# KiCad board Battman.kicad_pcb (continued)
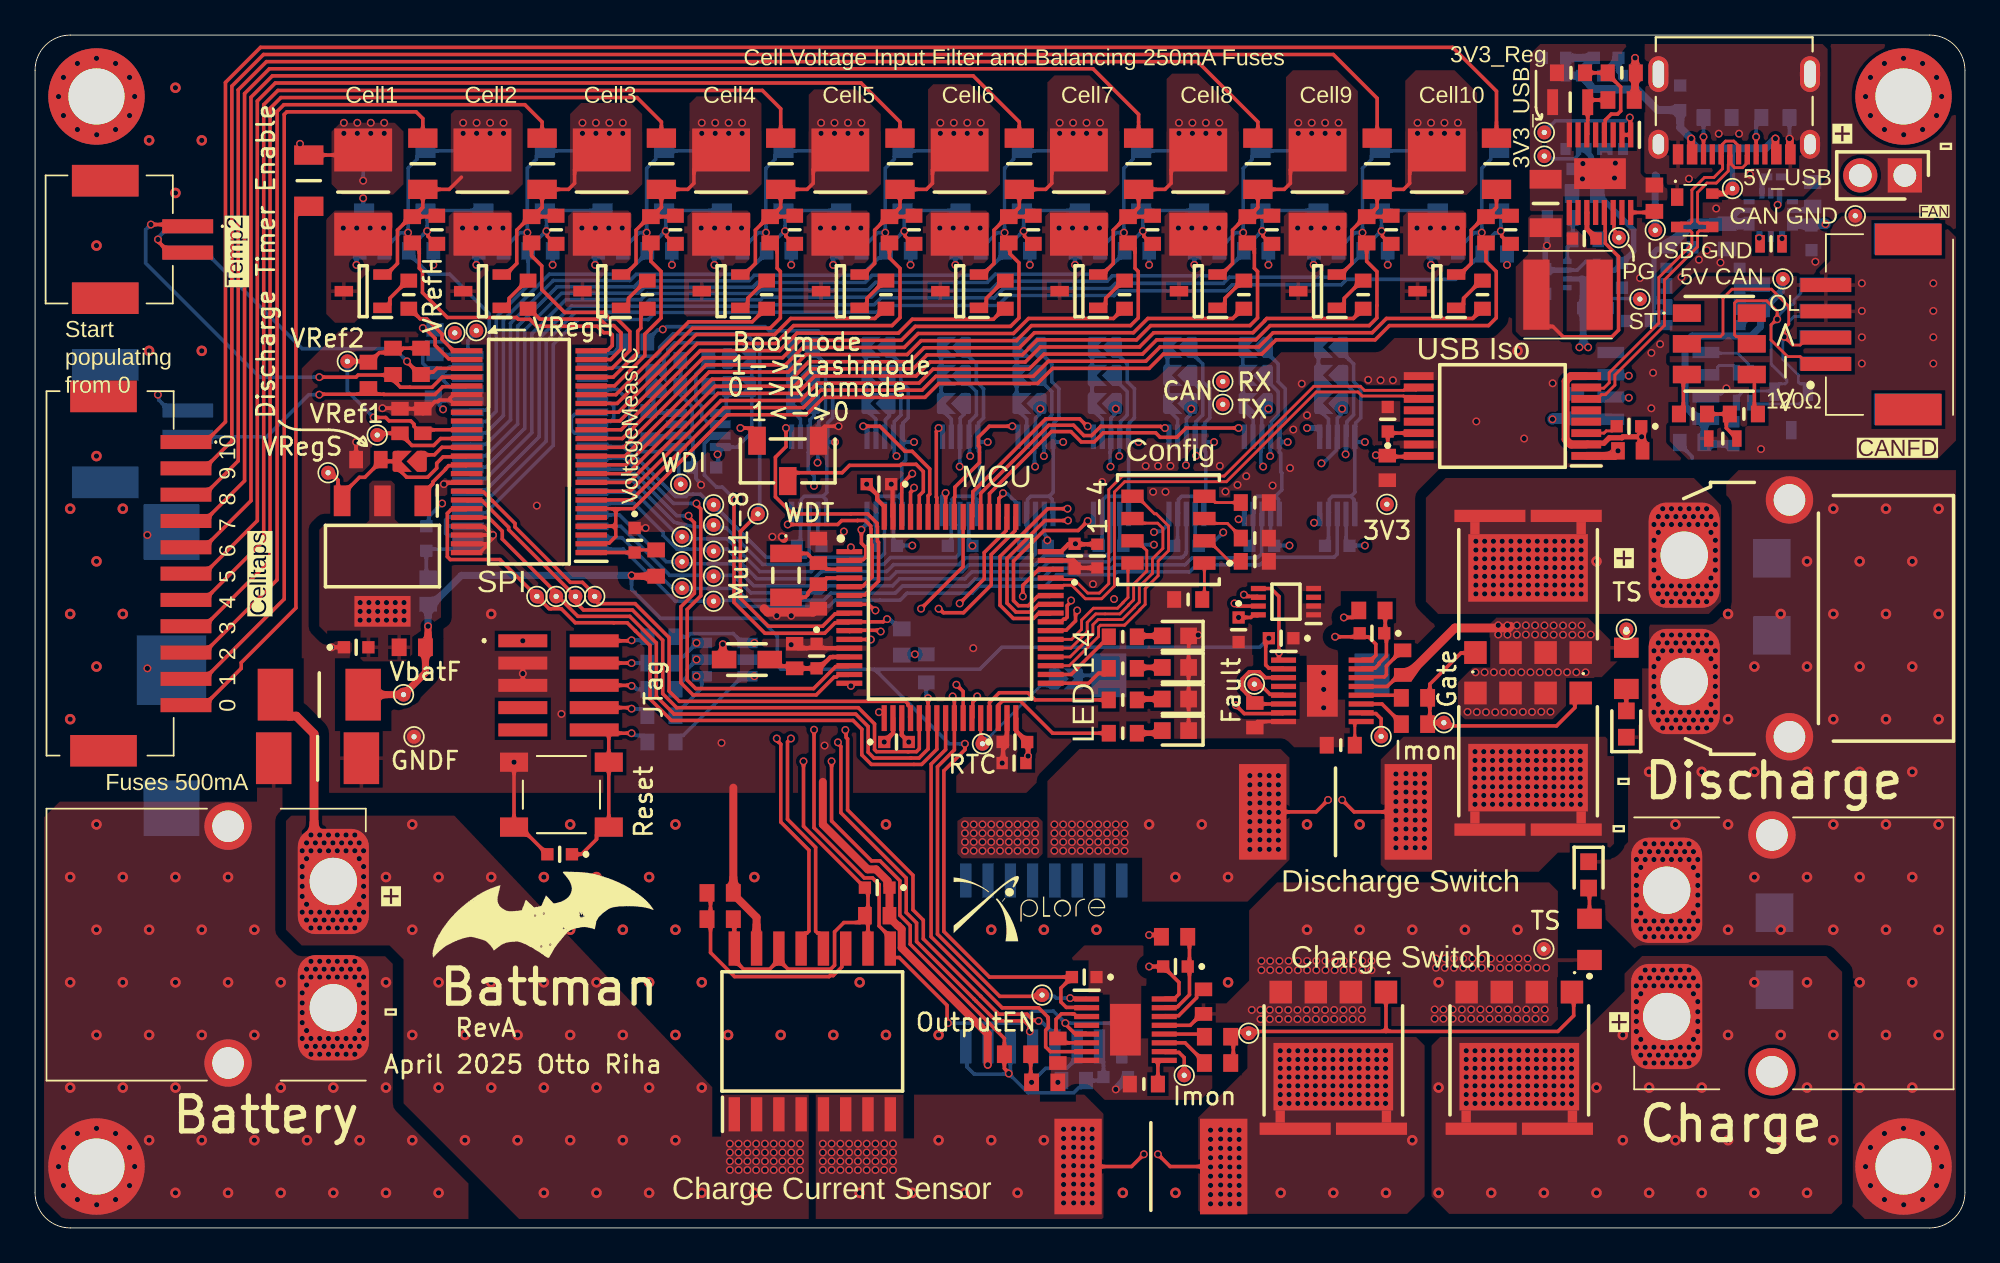
[diagram p0: board, top side]
## Routing (per net, layer and track width the routed paths; a pad name or vN(x,y) marks a point on that pad's centre or on a via; arc(x,y) is an arc through that point) (continued)
Bat_GND_Fused: length 102.1
  Top Layer w0.203: v1(66.3,33.8) 65.75,33.25 LED701.1 LED702.1 LED703.1 ; J5.2 7.65,55.6 7.05,56.2 7.05,56.3 v1(7,56.35) ; 44.65,45.35 45,45.7 v1(45.8,45.7) ; 23.65,47.19 23.05,47.19 22.96,47.11 22.8,47.11 22.1,46.41 ; 23.65,47.19 23.85,47 IC600.31 ; 23.65,47.19 23.65,47.3 23.85,47.5 IC600.30 ; IC600.45 24.65,39.95 25.6,39.95 26.06,39.5 v1(26.1,39.5) ; IC600.46 v1(26.1,39.5) ; v1(26.1,39.5) 26.09,39.49 26.09,39.33 25.76,39 ; v1(27.3,26.55) 27.3,23.2 C708.2 ; 19.51,25.8 18.6,26.71 18.6,27.29 ; 25.76,39 25.76,38.91 25.35,38.5 IC600.48 ; 25.76,39 IC600.47 ; v1(19.8,46.73) 20.77,46.73 C602.2 C601.2 ; 69.52,28.72 69.67,28.87 IC801B.8 ; J700.3 v1(27.8,31.6) J700.5 ; C603.2 v1(18.3,44.8) ; v1(16.9,33.1) C600.1 ; 34.1,39.9 v1(34.8,39.9)
  Top Layer w0.25: IC700.47 59.19,38.05 59.61,37.62 C706.1 ; v1(48.4,27.7) 48.91,28.21 48.91,29.05 IC700.18 ; 55.18,26.5 55.18,27.29 55.4,27.51 IC700.31 ; IC600.40 24.58,42.47 23.43,42.47 23.35,42.4 v1(23.3,42.4) ; v1(48.8,42.4) 48.88,42.32 48.88,40.56 IC700.63 ; IC700.12 43.5,33.05 43.45,33.1
  Top Layer w0.45: IC800A.15 41.13,17.7 39.8,19.02 R802A.1 39.8,25.1 ; v1(54.3,9.3) 54.3,11.06 49.4,15.96 49.4,17.03 49.2,17.22 49.17,17.22 48.7,17.69 C804A.1 C800A.1 48.6,19.5 48.6,19.78 47.94,20.44 47.46,20.44 44.9,23 44.9,25.43
  Top Layer w0.5: 41.55,35.31 41.76,35.1 44.35,35.1 44.55,35.3 C715.2 ; v1(42.58,39.4) 42.68,39.3
  Mid Layer 2 w0.45: v1(58.3,8.3) 57.18,9.42 55.09,9.42 54.97,9.3 v1(54.3,9.3)
  Bottom Layer w0.203: IC301.2 36.67,45.28 37.28,45.28 ; IC301.2 35.6,45.16 35.44,45 ; IC301.2 36.59,45.12 37.28,45.12 ; v1(37.96,42.36) 37.96,42.43 37.67,42.71 37.67,43.1 37.65,43.13 37.5,43.13 37.5,44.9 37.28,45.12 ; 37.28,45.28 37.45,45.46 37.45,46.81 36.77,47.5 36.77,47.98 R301.1 ; 37.28,45.28 37.28,45.12 ; 36.8,48.02 36.8,49.39 ; v1(7,47.5) 7.05,47.45 7.05,47.2 7.65,46.6 J6.2 ; v1(7,56.35) 7.05,56.4 7.05,56.5 7.65,57.1 J3.2
  Bottom Layer w0.45: v1(61.6,7.9) C800B.1
  vias: v1(6.4,31.9) v1(28.6,41.17) v1(30,29.3) v1(39.13,27.65) v1(42.02,39.4) v1(42.28,34.9) v1(43.1,34.9) v1(43.09,33.25) v1(45,27.5) v1(53.48,33.05) v1(55.13,26.5) v1(60.3,36.7) v1(60.82,42.52) v1(61.5,35.85) v1(63.3,43.44) v1(63.73,41.96) v1(64.01,43.44) v1(64.43,41.96) v1(64.71,43.44) v1(67.53,43.44) v1(67.85,41.97) v1(68.54,42.36) v1(69.04,42.85) v1(70.54,42.32) v1(71.53,43.32) v1(71.72,45.51) v1(72.2,48.12) v1(72.5,46.32) v1(73.45,31.65) v1(73.45,30.7) v1(73.45,29.65) v1(75.99,48.35) v1(76.69,48.32) v1(77.39,48.32) v1(82.15,45.97) v1(84.88,45) v1(86.5,48.15) v1(88.23,60.67) v1(88.2,59.8) v1(90.03,59.85) v1(90.08,60.7) v1(91.48,54.15) v1(92.13,49.88) v1(92.13,46.72) v1(92.23,48.75) v1(92.63,50.38) v1(93.84,54.2) v1(94.84,55.19) v1(95.29,55.73) v1(95.82,58.11) v1(96.07,55.03) v1(101.48,55.08) v2(2,41) v2(2,35) v2(2,29) v2(3.5,56) v2(3.5,44) v2(3.5,38) v2(3.5,32) v2(5,41) v2(5,35) v2(6.5,62) v2(6.5,50) v2(8,65) v2(8,59) v2(9.5,62) v2(9.5,50) v2(26,35) v2(84.5,50)
Boot: length 10.8
  Top Layer w0.203: IC700.60 50.4,41.75 50.63,41.98 50.63,43.12 50.22,43.53 49.38,43.53 49.32,43.47 46.42,43.47 46,43.05 42.9,43.05
CAN_GND: length 3.8
  Bottom Layer w0.203: IC701.7 95.43,47.56 96.1,47.56 v1(96.4,47.86) ; C710.1 93.75,44.67 94.45,43.97 94.45,43.88
  Bottom Layer w0.6: PS401.10_11 98.28,53.7 C418.1
  vias: v1(98.38,44.4) v1(104.13,53.85) v1(104.13,52.27) v1(104.13,50.77) v1(104.13,49.27) v1(108.2,53.85) v1(108.2,52.27) v1(108.2,50.77) v1(108.2,49.27)
CAN_N: length 23.6
  Top Layer w0.16: 94.57,50.82 96.07,50.82 96.21,50.96 96.21,53 96.73,53.51 98.97,53.51 99.96,52.53 99.96,51.53 99.7,51.27 v1(99.7,50.8) 100.17,50.33 100.61,50.33 100.71,50.42 100.71,50.43 101.03,50.75 J9.2
  Bottom Layer w0.16: J8.2 101.69,51.96 100.26,51.96 99.96,51.66 99.96,51.53 99.7,51.27 v1(99.7,50.8) 99.64,50.74 99.64,50.58 99.62,50.56 99.62,49.51 100.51,48.62 100.51,48.21 100.6,48.12 100.83,48.12 101.05,47.9 101.05,47.45 100.57,46.97 97.86,46.97 FL700.3
CAN_P: length 22.2
  Top Layer w0.16: v1(99.3,51.8) 99.3,52.25 98.7,52.85 97,52.85 96.87,52.72 96.87,50.91 96.96,50.82 97.43,50.82 ; 99.28,51.82 98.95,51.48 98.95,50.62 99.9,49.67 100.61,49.67 100.71,49.58 100.71,49.57 101.03,49.25 J9.1
  Bottom Layer w0.16: J8.1 100.97,53.78 100.65,53.46 100.65,53.28 100.26,52.9 100.26,52.72 100.17,52.62 99.99,52.62 99.3,51.93 v1(99.3,51.8) 98.96,51.46 98.96,49.23 99.85,48.35 99.85,48.21 99.75,48.12 99.37,48.12 99.15,47.9 D700.1 99.12,47.71 97.39,47.71 96.98,47.3 FL700.4
CAN_Tr_N: length 3.5
  Bottom Layer w0.16: 95.02,49.9 95.05,49.87 97.04,49.87 97.66,49.25 97.66,48.87 FL700.2
CAN_Tr_P: length 2.6
  Bottom Layer w0.16: FL700.1 96.98,49 96.81,49.17 96,49.17 95.9,49.07 95.9,48.88 95.65,48.63 95.02,48.63
CANFD_RX: length 48.6
  Top Layer w0.203: IC700.61 49.9,41.93 50.1,42.13 v1(50.1,42.2)
  Mid Layer 2 w0.203: 90.94,48.67 89.83,47.56 67.93,47.56 67.81,47.68 67.81,48.14 TP706.1 67.1,47.65 54.26,47.65 51.71,45.1 51.39,45.1 49.5,43.21 49.5,42.79 50.09,42.2 v1(50.1,42.2)
  Bottom Layer w0.203: v1(90.84,48.58) 89.87,48.58 IC701.3
CANFD_TX: length 46.5
  Top Layer w0.203: v1(50,43) 49.4,42.4 IC700.62
  Mid Layer 2 w0.203: TP705.1 67.86,46.95 68.11,47.2 90.65,47.2 90.77,47.32 v1(90.84,47.32) ; 67.6,47 67.57,47 67.28,47.29 54.41,47.29 51.86,44.74 51.8,44.74 50.07,43 v1(50,43)
  Bottom Layer w0.203: IC701.2 89.85,47.32 v1(90.84,47.32)
Cell0: length 93.9
  Top Layer w0.203: v1(22.1,51.3) 22.17,51.3 22.29,51.18 22.32,51.18 22.8,50.7 22.8,50.31 23.57,49.55 24.55,49.55 IC600.26 ; R203A.1 18.41,61.16 F100.2
  Bottom Layer w0.203: 48.7,46.55 48.67,46.52 48.67,46.27 48.47,46.07 ; 48.7,46.55 48.7,46.8 48.8,46.9 ; 48.7,46.55 48.7,46.3 48.47,46.07 ; 48.47,46.07 48.47,45.15 ; 44.5,46.9 44.4,46.8 44.4,46.3 44.17,46.07 44.17,45.15 44.08,45.05 44.08,44.23 44.07,44.22 44.07,43.2 44.4,42.87 v1(44.4,42.3) ; 65.9,46.8 65.9,46.7 v1(65.9,46.7) ; 52.46,54.91 52.46,55.66 C201F.1 ; C201I.1 72.88,55.68 v1(72.88,54.9) ; v1(61.6,46.7) 61.6,46.7 61.6,46.8 ; 74.5,46.8 74.5,46.7 v1(74.5,46.7) ; IC500A.7 74.73,39.08 C500A.1 74.94,38.9 v1(75.8,38.9) ; v1(43.1,54.9) C200D.1 ; v1(70.3,46.7) 70.3,46.7 70.3,46.9 ; 25.15,54.91 25.15,55.55 C201B.1 ; v1(67.73,39.65) 66.98,38.9 66.34,38.9 C500C.1 66.13,39.08 IC500C.7 ; v1(63.5,54.9) C200G.1 ; v1(77.1,54.9) C200I.1 ; C500E.1 57.7,38.91 v1(57.7,39.2) ; 74.45,46.7 74.45,46.39 74.23,46.16 IC500A.3 74.18,45.05 74.18,44.35 73.47,43.63 73.37,43.63 v1(73.32,43.59) ; v1(18.7,59.7) 18.7,61.35 Z201A.2 ; v1(70.3,54.9) C200H.1 ; v1(70,43.4) 70,43.47 69.87,43.6 69.87,44.22 69.88,44.23 69.88,45.05 IC500B.3 69.93,46.19 70.07,46.34 70.07,46.68 70.1,46.7 70.15,46.7 70.3,46.85 JS502B.1 ; 79.57,54.89 79.57,55.57 C201J.1 ; 74.45,46.85 JS502A.1 ; C201A.1 18.32,55.52 v1(18.32,54.9) ; v1(49.9,54.9) C200E.1 ; C201E.1 45.49,55.49 45.49,54.9 ; 23,47.15 IC300.14 ; 23,47.15 23.04,47.11 23.04,46.91 23.25,46.7 v1(23.25,46.66) ; 23,47.15 22.96,47.15 22.71,47.4 22.7,47.4 ; v1(56.7,54.9) C200F.1 ; C304.1 22.44,40.14 22.44,40.54 v1(23.2,41.3) ; v1(66.08,54.9) 66.08,55.68 C201H.1 ; v1(59.28,54.9) 59.28,55.67 C201G.1 ; C500H.1 44.63,39.08 IC500H.7 ; IC500F.7 53.23,39.08 v1(53.43,38.88) ; v1(52.7,43.4) 52.71,43.41 52.71,45.09 IC500F.3 52.73,46.16 52.95,46.39 52.95,46.85 JS502F.1 ; 53,46.8 53,46.7 53,46.7 ; 57.73,39.2 57.73,39.35 57.53,39.55 IC500E.7 ; v1(63.78,38.95) 62.09,38.95 C500D.1 61.83,39.08 IC500D.7 ; v1(57.3,46.7) 57.3,46.7 57.3,46.8 ; 44.86,50.91 44.63,51.14 41.84,51.14 41.61,51.38 36,51.38 35.84,51.22 v1(35.78,51.22) 35.73,51.18 35.47,51.18 34.9,50.6 34.9,50.4 ; 38.72,54.89 38.72,55.52 C201D.1 ; v1(36.3,54.9) C200C.1 ; v1(83.9,54.9) 83.9,55.7 ; v1(22.7,54.9) C200A.1 ; JS502D.1 61.55,46.85 61.55,46.39 61.33,46.16 IC500D.3 61.28,45.05 61.28,44.23 61.27,44.22 61.27,43.43 v1(61.3,43.4) ; IC500B.7 70.43,39.08 C500B.1 70.64,38.9 v1(71.5,38.9) ; v1(29.5,54.9) C200B.1 ; JS502C.1 65.85,46.85 65.85,46.36 65.63,46.14 IC500C.3 65.61,45.09 65.61,43.49 v1(65.6,43.47) ; Z200A.2 18.7,58.05 v1(18.7,58.7) ; v1(22.1,51.3) 22.8,51.3 22.9,51.2 ; JS502E.1 57.25,46.85 57.25,46.39 57.03,46.16 IC500E.3 56.98,45.05 56.98,44.23 56.97,44.22 56.97,43.43 v1(57,43.4) 56.95,43.45 56.95,43.7 ; C201C.1 31.92,55.52 31.92,54.92 ; IC500G.7 48.93,39.08 C500G.1 49.14,38.9 v1(50,38.9)
  vias: v1(15.1,61.8) v1(17.6,63) v1(17.6,62.4) v1(18.37,63) v1(18.37,62.4) v1(19.13,63) v1(19.13,62.4) v1(19.9,63) v1(19.9,62.4) v1(25.15,54.9) v1(31.92,54.9) v1(38.72,54.9) v1(45.49,54.9) v1(46.1,39.7) v1(52.46,54.9) v1(79.57,54.9)
Cell1: length 44.3
  Top Layer w0.203: F200A.1 22.1,63.24 21.72,63.63 14.35,63.63 14.2,63.48 14.2,35.85 9.65,31.3 J7.10
Cell2: length 50.2
  Top Layer w0.203: F200B.1 28.9,63.05 27.92,64.03 14.18,64.03 13.79,63.64 13.79,36.94 9.65,32.8 J7.9
Cell3: length 56.2
  Top Layer w0.203: F200C.1 35.7,63.05 34.31,64.44 14.01,64.44 13.39,63.82 13.39,38.04 9.65,34.3 J7.8
Cell4: length 62.6
  Top Layer w0.203: J7.7 9.65,35.8 13.03,39.18 13.03,64.03 13.84,64.84 41.46,64.84 42.5,63.8 F200D.1
Cell5: length 68.1
  Top Layer w0.203: J7.6 9.65,37.3 12.67,40.32 12.67,64.24 13.69,65.27 47.08,65.27 49.3,63.05 F200E.1
Cell6: length 74.1
  Top Layer w0.203: F200F.1 56.1,63.05 53.47,65.67 13.52,65.67 12.3,64.45 12.3,41.45 9.65,38.8 J7.5
Cell7: length 80.3
  Top Layer w0.203: J7.4 9.65,40.3 11.94,42.59 11.94,64.67 13.36,66.08 60.3,66.08 62.9,63.48 F200G.1
Cell8: length 86.1
  Top Layer w0.203: F200H.1 69.7,63.05 66.26,66.49 13.19,66.49 11.58,64.88 11.58,43.73 9.65,41.8 J7.3
Cell9: length 92.8
  Top Layer w0.203: F200I.1 76.5,64.39 74,66.89 13.02,66.89 11.21,65.09 11.21,44.86 9.65,43.3 J7.2
Cell10: length 99.3
  Top Layer w0.203: J7.1 8.9,45.1 10,45.1 10.85,45.95 10.85,65.3 12.85,67.3 80.8,67.3 83.3,64.8 83.3,62.8 ; F200J.1 83.3,63.05
Current1: length 23.9
  Top Layer w0.203: v1(48.2,34) 48.13,34 48.06,34.07 46.5,34.07 46.43,34 46.33,34.1 ; IC800A.12 44.94,16.57 44.71,16.8 44.61,16.8 44.49,16.92 44.49,21.69 42.89,23.3 42.89,27.71 v1(43.08,27.9)
  Mid Layer 2 w0.203: v1(43.08,27.9) 43.08,27.93 42.87,28.14 42.87,29.07 46.62,32.82 47.63,32.82 48.19,33.38 48.19,33.99 v1(48.2,34)
Current2: length 27.2
  Top Layer w0.203: 46.23,28.35 46.23,27.96 46.31,27.88 46.31,23.83 50.04,20.1 50.04,18.14 50.63,17.55 50.63,16.48 53.9,13.2 54.92,12.18 56.54,12.18 56.89,11.83 57.17,11.83 v1(57.2,11.8)
  Mid Layer 2 w0.203: v1(46.19,28.38) 46.6,28.8 46.6,29.72 46.98,30.1 46.98,30.42 v1(46.5,30.9)
  Bottom Layer w0.203: v1(57.2,11.8) 57.25,11.75 57.38,11.75 58.13,11 IC800B.12
CurrRef1: length 22.5
  Top Layer w0.203: IC700.11 46.42,33.55 47.64,33.55 v1(47.64,33.54) ; IC800A.13 43.67,16.57 43.89,16.8 43.99,16.8 44.11,16.92 44.11,21.53 42.51,23.14 42.51,27.57 42.28,27.8 42.28,27.82
  Mid Layer 2 w0.203: v1(42.28,27.9) 42.28,27.93 42.49,28.14 42.49,29.23 46.46,33.2 47.4,33.2 47.52,33.32 47.52,33.35 47.64,33.47 v1(47.64,33.54)
CurrRef2: length 26
  Top Layer w0.203: v1(56.7,11.2) 56.67,11.23 56.67,11.51 56.38,11.8 54.76,11.8 53.63,12.93 53.52,13.05 50.24,16.32 50.24,17.39 49.65,17.98 49.65,19.94 45.93,23.67 45.93,27.45 45.76,27.61 v1(45.76,27.68)
  Mid Layer 2 w0.203: v1(48.1,29.4) 47.67,29.83 47.25,29.83 46.98,29.56 46.98,28.47 46.24,27.73 45.81,27.73 v1(45.76,27.68)
Enable1: length 25.6
  Top Layer w0.203: IC700.24 51.9,27.27 51.07,26.44 51.07,16.6 55.13,12.55 57.2,12.55 57.73,12.02 57.73,11.95 57.75,11.93 57.75,11.42 57.6,11.27 57.6,10.32 57.87,10.05 IC801A.7
Enable2: length 21.5
  Top Layer w0.203: IC801B.7 71.11,29.32 68.92,29.32 v1(68.44,29.8) ; IC700.26 52.9,30.58 v1(52.51,30.97)
  Mid Layer 2 w0.203: v1(52.51,30.97) 52.9,30.58 52.9,30.39 53.49,29.8 v1(68.44,29.8)
GateA: length 25.1
  Top Layer w0.203: 77,11.2 68.45,11.2 R803A.2 ; 77,11.2 86.8,11.2 87.7,12.1 87.7,13.34 Q801A.1 ; 77,11.2 Q800A.1 ; 68.3,9.5 68.3,10.94
GateB: length 15.4
  Top Layer w0.203: TP801B.1 79.54,28.8 79.52,28.82 ; 87.77,30.43 87.77,29.66 86.72,28.62 80.48,28.62 80.4,28.7 ; 82.2,32.77 82.2,32.77 81.27,32.77 79.5,31 79.5,28.84 R804B.2 ; 79.52,30.26 79.52,30.22 R803B.2
JDTO: length 23.1
  Top Layer w0.203: v1(50.5,35.3) 52.9,37.7 52.9,40.53 IC700.55
  Mid Layer 2 w0.203: v1(37.7,32.4) 37.72,32.38 43.45,32.38 47.14,36.06 49.74,36.06 v1(50.5,35.3)
  Bottom Layer w0.203: R714.2 36.5,30.77 37.16,31.44 37.16,31.84 37.73,32.4
JTCK: length 26.1
  Top Layer w0.203: v1(51.5,35.3) 51.54,35.3 51.77,35.07 52.92,35.07 54.5,36.65 54.5,38.39 55.85,39.74 55.85,40.49 IC700.49
  Mid Layer 2 w0.203: v1(51.5,35.3) 50.37,36.43 46.98,36.43 43.3,32.74 38.31,32.74 v1(37.7,33.35)
  Bottom Layer w0.203: 36.6,32.12 36.6,32.2 ; v1(37.7,33.35) 37.7,33.32 36.95,32.57 36.8,32.57 36.5,32.27 R713.2
JTDI: length 26.4
  Top Layer w0.203: v1(52.7,35.6) 54.1,37 54.1,38.5 55.35,39.75 55.35,40.49 IC700.50
  Mid Layer 2 w0.203: 52.69,35.59 51.9,34.8 51.71,34.8 51.71,34.8 51.29,34.8 51.29,34.8 50.71,34.8 50.71,34.8 50.29,34.8 50.29,34.8 50,34.8 49.1,35.7 47.29,35.7 43.6,32.02 38.27,32.02 v1(37.7,31.45)
  Bottom Layer w0.203: IC702.4 38,30.77 36.5,29.27 R715.2
JTMS: length 24
  Top Layer w0.203: v1(56.3,36) 56.3,36.63 57.17,37.5 57.84,37.5 IC700.46
  Mid Layer 2 w0.203: v1(41,33.35) 42.16,33.35 42.71,33.9 43.85,33.9 46.74,36.79 52.22,36.79 53.01,36 v1(56.3,36)
  Bottom Layer w0.203: IC702.1 40.33,33.35 39.8,33.88 37.37,33.88 37.19,33.7 R712.2
LED_A: length 8.1
  Top Layer w0.203: IC700.29 54.4,29.95 54.96,30.51 56.59,30.51 57,30.1 R702.2
LED_G: length 4.2
  Top Layer w0.203: IC700.34 59.05,31.55 60.83,33.33 60.9,33.33 61.03,33.46 61.03,33.53
  Top Layer w0.3: 61.03,33.53 R700.2
LED_R: length 7.9
  Top Layer w0.203: R703.2 58,28.2 56.15,30.05 55.15,30.05 54.9,29.8 IC700.30
LED_Y: length 4.1
  Top Layer w0.203: R701.2 60.91,31.61 60.61,31.61 60.05,31.05 IC700.33
  Top Layer w0.3: 60.95,31.57 61.2,31.82 R701.2
LTC_H_C1: length 19.9
  Top Layer w0.203: v1(22.35,56.83) 22.39,56.78 22.39,56.53 22.83,56.1 R200A.2
  Bottom Layer w0.203: 22.29,56.86 22.35,56.92 22.35,57.9 Z200A.1 Z200B.2 ; v1(22.35,56.83) 22.32,56.83 21.3,55.8 C200A.2 21.59,55.41 21.59,55.26 22.48,54.37 23.63,54.37 25.88,52.12 25.88,46.8 25.7,46.62 24.8,46.62 IC300.13
LTC_H_C2: length 18.9
  Top Layer w0.203: v1(29.15,56.83) 29.19,56.78 29.19,56.53 29.63,56.1 R200B.2
  Bottom Layer w0.203: 29.09,56.86 29.15,56.92 29.15,57.9 Z200B.1 Z200C.2 ; v1(29.15,56.83) 29.12,56.83 28.1,55.8 28.1,53.72 26.29,51.91 26.29,46.56 25.7,45.97 24.8,45.97 IC300.12
LTC_H_C3: length 24.8
  Top Layer w0.203: v1(35.95,56.83) 35.99,56.78 35.99,56.53 36.43,56.1 R200C.2
  Bottom Layer w0.203: v1(35.95,56.83) 35.92,56.83 34.9,55.8 ; IC300.11 24.8,45.32 25.7,45.32 26.69,46.31 26.69,51.74 29.32,54.37 33.68,54.37 34.9,55.59 C200C.2 ; Z200D.2 Z200C.1 35.95,57.9 35.95,56.92 35.85,56.83
LTC_H_C4: length 32
  Top Layer w0.203: R200D.2 43.23,56.1 42.79,56.53 42.79,56.78 v1(42.75,56.83)
  Bottom Layer w0.203: v1(42.75,56.83) 42.72,56.83 41.7,55.8 C200D.2 41.7,55.59 40.47,54.36 34.26,54.36 33.91,54.01 29.53,54.01 27.1,51.57 27.1,46.07 25.7,44.67 24.8,44.67 IC300.10 ; Z200E.2 Z200D.1 42.75,57.9 42.75,56.92 42.69,56.86
LTC_H_C5: length 39.1
  Top Layer w0.203: R200E.2 50.03,56.1 49.59,56.53 49.59,56.78 v1(49.55,56.83)
  Bottom Layer w0.203: v1(49.55,56.83) 49.52,56.83 48.5,55.8 48.5,55.59 48.21,55.31 48.11,55.31 47.11,54.31 41,54.31 40.69,54 34.5,54 34.14,53.64 29.74,53.64 27.51,51.41 27.51,45.82 25.7,44.02 24.8,44.02 IC300.9 ; 49.49,56.86 49.55,56.92 49.55,57.9 Z200E.1 Z200F.2
LTC_H_C6: length 46.2
  Top Layer w0.203: v1(56.35,56.83) 56.39,56.78 56.39,56.53 56.83,56.1 R200F.2
  Bottom Layer w0.203: 56.29,56.86 56.35,56.92 56.35,57.9 Z200F.1 Z200G.2 ; IC300.8 24.8,43.37 25.7,43.37 27.91,45.58 27.91,51.19 30.01,53.28 34.37,53.28 34.73,53.63 40.91,53.63 41.18,53.9 47.3,53.9 47.71,54.31 54.01,54.31 55.3,55.59 55.3,55.8 56.32,56.83 v1(56.35,56.83)
LTC_H_C7: length 53.3
  Top Layer w0.203: R200G.2 63.63,56.1 63.19,56.53 63.19,56.78 v1(63.15,56.83)
  Bottom Layer w0.203: Z200H.2 Z200G.1 63.15,57.9 63.15,56.92 63.09,56.86 ; IC300.7 24.8,42.72 25.7,42.72 28.32,45.34 28.32,50.98 30.25,52.92 34.54,52.92 34.89,53.27 41.13,53.27 41.34,53.48 47.48,53.48 47.9,53.9 54.27,53.9 54.74,54.37 60.88,54.37 62.1,55.59 C200G.2 62.1,55.8 63.12,56.83 v1(63.15,56.83)
LTC_H_C8: length 60.3
  Top Layer w0.203: v1(69.95,56.83) 69.99,56.78 69.99,56.53 70.43,56.1 R200H.2
  Bottom Layer w0.203: Z200I.2 Z200H.1 69.95,57.9 69.95,56.92 69.89,56.86 ; v1(69.95,56.83) 69.92,56.83 68.9,55.8 C200H.2 68.9,55.59 67.58,54.28 61.41,54.28 61.1,53.97 54.99,53.97 54.48,53.46 48.05,53.46 47.65,53.05 41.5,53.05 41.35,52.91 35.04,52.91 34.69,52.55 30.58,52.55 28.72,50.7 28.72,45.09 25.7,42.07 24.8,42.07 IC300.6
LTC_H_C9: length 67.5
  Top Layer w0.203: v1(76.75,56.83) 76.79,56.78 76.79,56.53 77.23,56.1 R200I.2
  Bottom Layer w0.203: 76.69,56.86 76.75,56.92 76.75,57.9 Z200I.1 Z200J.2 ; IC300.5 24.8,41.42 25.7,41.42 29.13,44.85 29.13,50.53 30.79,52.19 34.84,52.19 35.19,52.54 41.58,52.54 41.67,52.63 47.83,52.63 48.21,53.01 54.67,53.01 55.21,53.56 61.3,53.56 61.59,53.85 67.73,53.85 68.08,54.2 74.31,54.2 75.7,55.59 C200I.2 75.7,55.8 76.72,56.83 v1(76.75,56.83)
LTC_H_C10: length 76
  Top Layer w0.203: R200J.2 84.03,56.1 83.59,56.53 83.59,56.78 v1(83.55,56.83)
  Bottom Layer w0.203: 82.5,55.59 80.98,54.07 74.77,54.07 74.46,53.76 68.24,53.76 67.9,53.43 61.78,53.43 61.5,53.15 55.45,53.15 54.88,52.59 48.38,52.59 47.99,52.2 41.86,52.2 41.84,52.18 35.34,52.18 34.94,51.78 30.96,51.78 29.54,50.36 29.54,44.61 25.7,40.77 24.8,40.77 IC300.4 ; 82.5,55.7 82.57,55.7 82.79,55.92 82.79,56.02 82.81,56.04 82.81,56.31 83.22,56.72 83.38,56.72 83.48,56.83 v1(83.55,56.83) ; 23.4,40.09 23.49,40 IC300.3 ; 23.4,40.09 23.4,39.6 23.53,39.47 24.55,39.47 IC300.2 ; 23.4,40.09 23.4,40.36 23.57,40.53 24.55,40.53 24.61,40.58 ; 83.55,56.92 83.55,57.9 Z200J.1
LTC_S_C1: length 27.2
  Top Layer w0.203: IC600.24 31.75,50.05 32.65,50.05 32.9,50.3 32.9,50.91 32.78,51.03 32.41,51.03 32.04,51.4 28.6,51.4 28.2,51.8 27.54,51.8 27.44,51.9 23.5,51.9 22.08,53.32 22.08,54.53 21.9,54.71 21.9,55.83 21.58,56.15 R201A.2
  Bottom Layer w0.203: C201A.2 19.9,55.8 20.82,56.73 21.25,56.73 v1(21.26,56.74) 21.26,60.41 21.78,60.93 21.78,61.1 22.08,61.4 Z201A.1 Z201B.2
LTC_S_C2: length 22.9
  Top Layer w0.203: IC600.22 32.88,49 33.9,50.02 33.9,51.1 33.15,51.85 32.75,51.85 32.4,52.19 30.18,52.19 28.88,53.5 28.88,54.84 28.3,55.42 R201B.2
  Bottom Layer w0.203: Z201C.2 Z201B.1 28.88,61.4 28.58,61.1 28.58,60.93 28.06,60.41 v1(28.06,56.74) 27.63,56.74 26.7,55.8 C201B.2
LTC_S_C3: length 21.1
  Top Layer w0.203: R201C.2 35.1,55.11 35.68,54.53 35.68,51.87 34.76,50.95 34.76,49.73 33.03,48 IC600.20
  Bottom Layer w0.203: C201C.2 33.5,55.8 34.43,56.74 v1(34.86,56.74) 34.86,60.41 35.38,60.93 35.38,61.1 35.68,61.4 Z201C.1 Z201D.2
LTC_S_C4: length 27.7
  Top Layer w0.203: R201D.2 41.98,56.15 42.3,55.83 42.3,54.71 42.48,54.53 42.48,51.87 41.9,51.29 37.47,51.29 33.18,47 IC600.18
  Bottom Layer w0.203: Z201E.2 Z201D.1 42.48,61.4 42.18,61.1 42.18,60.93 41.66,60.41 v1(41.66,56.74) 41.23,56.74 40.3,55.8 C201D.2
LTC_S_C5: length 34.9
  Top Layer w0.203: R201E.2 48.7,55.3 49.3,54.7 49.3,51.89 48.84,51.44 43.24,51.44 42.22,50.42 37.75,50.42 33.33,46 IC600.16
  Bottom Layer w0.203: Z201F.2 Z201E.1 49.28,61.4 48.98,61.1 48.98,60.93 48.46,60.41 v1(48.46,56.74) 48.03,56.74 47.1,55.8 C201E.2
LTC_S_C6: length 42.1
  Top Layer w0.203: IC600.14 33.48,45 38.08,49.61 42.61,49.61 43.6,50.6 49.37,50.6 50.17,51.39 55.6,51.39 56.08,51.87 56.08,55.02 55.56,55.54 55.56,56.09 R201F.2
  Bottom Layer w0.203: C201F.2 53.9,55.8 54.83,56.74 v1(55.26,56.74) 55.26,60.41 55.78,60.93 55.78,61.1 56.08,61.4 Z201F.1 Z201G.2
LTC_S_C7: length 49.3
  Top Layer w0.203: IC600.12 33.63,44 38.42,48.79 42.94,48.79 43.94,49.79 49.71,49.79 50.51,50.58 55.94,50.58 56.79,51.44 62.44,51.44 62.88,51.87 62.88,54.53 62.7,54.71 62.7,55.83 62.38,56.15 R201G.2
  Bottom Layer w0.203: C201G.2 60.7,55.8 61.63,56.74 v1(62.06,56.74) 62.06,60.41 62.58,60.93 62.58,61.1 62.88,61.4 Z201G.1 Z201H.2
LTC_S_C8: length 56.5
  Top Layer w0.203: IC600.10 33.78,43 38.76,47.98 43.28,47.98 44.27,48.97 50.05,48.97 50.84,49.77 56.27,49.77 57.13,50.63 62.78,50.63 63.59,51.44 69.24,51.44 69.68,51.87 69.68,54.53 69.5,54.71 69.5,55.83 69.18,56.15 R201H.2
  Bottom Layer w0.203: C201H.2 67.5,55.8 68.43,56.74 v1(68.86,56.74) 68.86,60.41 69.38,60.93 69.38,61.1 69.68,61.4 Z201I.2
LTC_S_C9: length 63.7
  Top Layer w0.203: IC600.8 33.93,42 39.09,47.17 43.62,47.17 44.61,48.16 50.38,48.16 51.18,48.96 56.66,48.96 57.51,49.81 63.12,49.81 63.93,50.63 69.58,50.63 70.39,51.44 76.04,51.44 76.48,51.87 76.48,52.58 76.49,52.59 76.49,54.52 75.9,55.11 R201I.2
  Bottom Layer w0.203: C201I.2 74.3,55.8 75.23,56.74 v1(75.66,56.74) 75.66,60.41 76.18,60.93 76.18,61.1 76.48,61.4 Z201I.1 Z201J.2
LTC_S_C10: length 72.2
  Top Layer w0.203: IC600.6 33.1,41 ; 33.1,41 33.1,40 ; 33.1,41 34.1,41 39.46,46.36 43.96,46.36 44.95,47.35 50.72,47.35 51.52,48.14 57.14,48.14 58,49 63.5,49 64.31,49.81 69.92,49.81 70.73,50.63 76.38,50.63 77.19,51.44 82.84,51.44 83.29,51.88 83.29,54.52 82.7,55.11 R201J.2 ; 33.1,40 IC600.4 ; 33.1,40 33.1,39.42 32.73,39.05 31.75,39.05 IC600.2
  Bottom Layer w0.203: C201J.2 81.1,55.8 82.03,56.74 v1(82.46,56.74) 82.46,60.41 82.98,60.93 82.98,61.1 83.28,61.4 Z201J.1
LTC_S_S1: length 4.5
  Top Layer w0.203: IC600.25 24.55,50.05 23.8,50.05 23.2,50.65 23.2,50.95 22.32,51.83 21.95,51.83 21.38,52.4 R202A.2
LTC_S_S2: length 8.7
  Top Layer w0.203: IC600.23 32.8,49.5 33.4,50.1 33.4,51.03 32.99,51.44 32.58,51.44 32.21,51.81 28.77,51.81 28.18,52.4 R202B.2
LTC_S_S3: length 6
  Top Layer w0.203: R202C.2 34.83,52.4 34.53,52.1 34.53,51.3 34.35,51.12 34.35,49.9 32.95,48.5 IC600.21
LTC_S_S4: length 12
  Top Layer w0.203: IC600.19 33.1,47.5 37.26,51.65 40.88,51.65 41.63,52.4 R202D.2
LTC_S_S5: length 19.2
  Top Layer w0.203: IC600.17 33.25,46.5 37.68,50.93 42.15,50.93 43.07,51.85 47.87,51.85 48.43,52.4 R202E.2
LTC_S_S6: length 26.5
  Top Layer w0.203: R202F.2 55.23,52.4 54.63,51.8 50,51.8 49.21,51.01 43.43,51.01 42.44,50.01 37.91,50.01 33.4,45.5 IC600.15
LTC_S_S7: length 33.7
  Top Layer w0.203: IC600.13 33.55,44.5 38.25,49.2 42.78,49.2 43.77,50.19 49.54,50.19 50.34,50.99 55.77,50.99 56.63,51.84 61.47,51.84 62.03,52.4 R202G.2
LTC_S_S8: length 40.9
  Top Layer w0.203: R202H.2 68.83,52.4 68.27,51.85 63.43,51.85 62.61,51.03 56.96,51.03 56.1,50.17 50.67,50.17 49.88,49.38 44.11,49.38 43.11,48.39 38.59,48.39 33.7,43.5 IC600.11
LTC_S_S9: length 48.2
  Top Layer w0.203: IC600.9 33.85,42.5 38.92,47.57 43.45,47.57 44.44,48.57 50.22,48.57 51.01,49.36 56.44,49.36 57.3,50.22 62.95,50.22 63.76,51.03 69.41,51.03 70.09,51.71 70.09,51.73 70.21,51.85 75.15,51.85 75.33,52.03 75.33,52.1 75.63,52.4 R202I.2
LTC_S_S10: length 55.4
  Top Layer w0.203: R202J.2 82.43,52.4 82.13,52.1 82.13,52.03 81.95,51.85 77.03,51.85 76.21,51.03 70.56,51.03 69.75,50.22 64.12,50.22 63.31,49.41 57.76,49.41 56.9,48.55 51.35,48.55 50.55,47.76 44.78,47.76 43.79,46.76 39.26,46.76 34,41.5 IC600.7
Mult1: length 47.3
  Bottom Layer w0.203: TP309.1 36.5,35.72 33.53,38.7 IC300.36 ; IC500A.8 74.21,40.69 74.21,38.4 74.04,38.23 70.28,38.23 69.87,37.82 69.82,37.82 69.79,37.79 66.2,37.79 65.8,37.39 61.66,37.39 61.51,37.24 58.23,37.24 57.57,36.58 53.8,36.58 53.41,36.19 49.7,36.19 49.3,35.79 48.15,35.79 48.15,35.79 45.6,35.79 45.24,35.43 40.37,35.43 40.03,35.77 38.68,35.77
Mult2: length 43
  Bottom Layer w0.203: IC300.35 33.45,39.35 36.31,36.5 36.83,36.5 36.88,36.45 38.37,36.45 38.38,36.45 38.97,36.45 38.98,36.45 39.95,36.45 40.61,35.79 44.97,35.79 45.37,36.19 49.04,36.19 49.04,36.19 49.44,36.59 53.17,36.59 53.56,36.99 57.39,36.99 58.01,37.61 61.36,37.61 61.55,37.8 65.55,37.8 65.95,38.2 69.63,38.2 69.65,38.23 69.7,38.23 69.91,38.44 69.91,40.69 IC500B.8
Mult3: length 38.6
  Bottom Layer w0.203: IC500C.8 65.63,38.52 65.58,38.48 65.58,38.41 65.4,38.23 65.33,38.23 65.31,38.21 61.45,38.21 61.21,37.97 57.77,37.97 57.19,37.39 53.39,37.39 53,37 49.27,37 48.87,36.6 45.2,36.6 44.8,36.2 40.8,36.2 39.8,37.2 36.18,37.2 33.38,40 IC300.34
Mult4: length 34.2
  Bottom Layer w0.203: IC300.33 33.3,40.65 35.98,37.97 TP306.1 36.99,37.86 37.29,37.86 37.29,37.86 39.72,37.86 40.97,36.6 44.63,36.6 45.03,37.01 48.7,37.01 49.1,37.41 52.83,37.41 53.22,37.8 57,37.8 57.53,38.33 61.06,38.33 61.31,38.59 61.31,40.69 IC500D.8
Mult5: length 30
  Bottom Layer w0.203: IC500E.8 57.01,40.69 57.01,38.4 56.81,38.21 53.05,38.21 52.67,37.82 52.65,37.82 52.64,37.81 48.93,37.81 48.54,37.42 44.82,37.42 44.41,37.01 41.14,37.01 39.45,38.7 37.17,38.7 37.17,38.7 36.58,38.7 35.8,39.48 35.8,39.65 34.15,41.3 IC300.32
Mult6: length 25.5
  Bottom Layer w0.203: IC300.31 34.16,41.95 36.76,39.36 36.94,39.36 37.02,39.28 38.38,39.28 38.38,39.28 38.97,39.28 38.97,39.28 39.45,39.28 41.31,37.42 44.24,37.42 44.64,37.82 48.37,37.82 48.77,38.22 52.49,38.22 52.68,38.41 52.68,40.1 52.73,40.15 IC500F.8
Mult7: length 20.9
  Bottom Layer w0.203: 38.5,39.9 39.4,39.9 41.48,37.82 44.07,37.82 44.48,38.23 48.2,38.23 48.41,38.44 48.41,40.69 IC500G.8 ; IC300.30 34.06,42.6 36.43,40.24 36.62,40.18 37.57,39.97 37.58,39.97 38.4,39.97 38.4,39.97
Mult8: length 17.4
  Bottom Layer w0.203: 38.6,41.2 38.75,41.05 38.85,41.05 41.67,38.23 43.9,38.23 44.13,38.45 IC500H.8 ; IC300.27 33.5,44.55 34.21,43.85 34.35,43.85 36.51,41.7 37.09,41.7 37.23,41.83 37.48,41.83 37.92,41.83 38.23,41.52 38.23,41.37 38.5,41.1
NetC301_2: length 2.9
  Bottom Layer w0.203: C301.2 33.5,50.39 32.98,49.87 31.9,49.87 IC300.19 32.45,49.75 32.57,49.87
NetC402_1: length 1.6
  Top Layer w0.28: 88.8,56.45 88.79,56.46 88.79,56.61 88.46,56.94 88.46,57.88 IC401.11
NetC402_2: length 0.2
  Top Layer w0.28: 87.45,56.57 C402.2
NetC404_2: length 3.1
  Top Layer w0.203: R404.1 88.63,64.3 C404.2 88.5,63.16 88.5,63.15 88.5,62.36 IC401.6